# Altium PCB thrusters.PcbDoc (part 2 of 2)
Units mm, origin at the board's own origin, x right, y up, seen from the top; angles counter-clockwise.
Board outline 109.99 x 135.99 mm, 2 copper layers (Top Layer, Bottom Layer), stack 1.57 mm thick; 102 components, 73 nets, 446 pads, 127 vias.
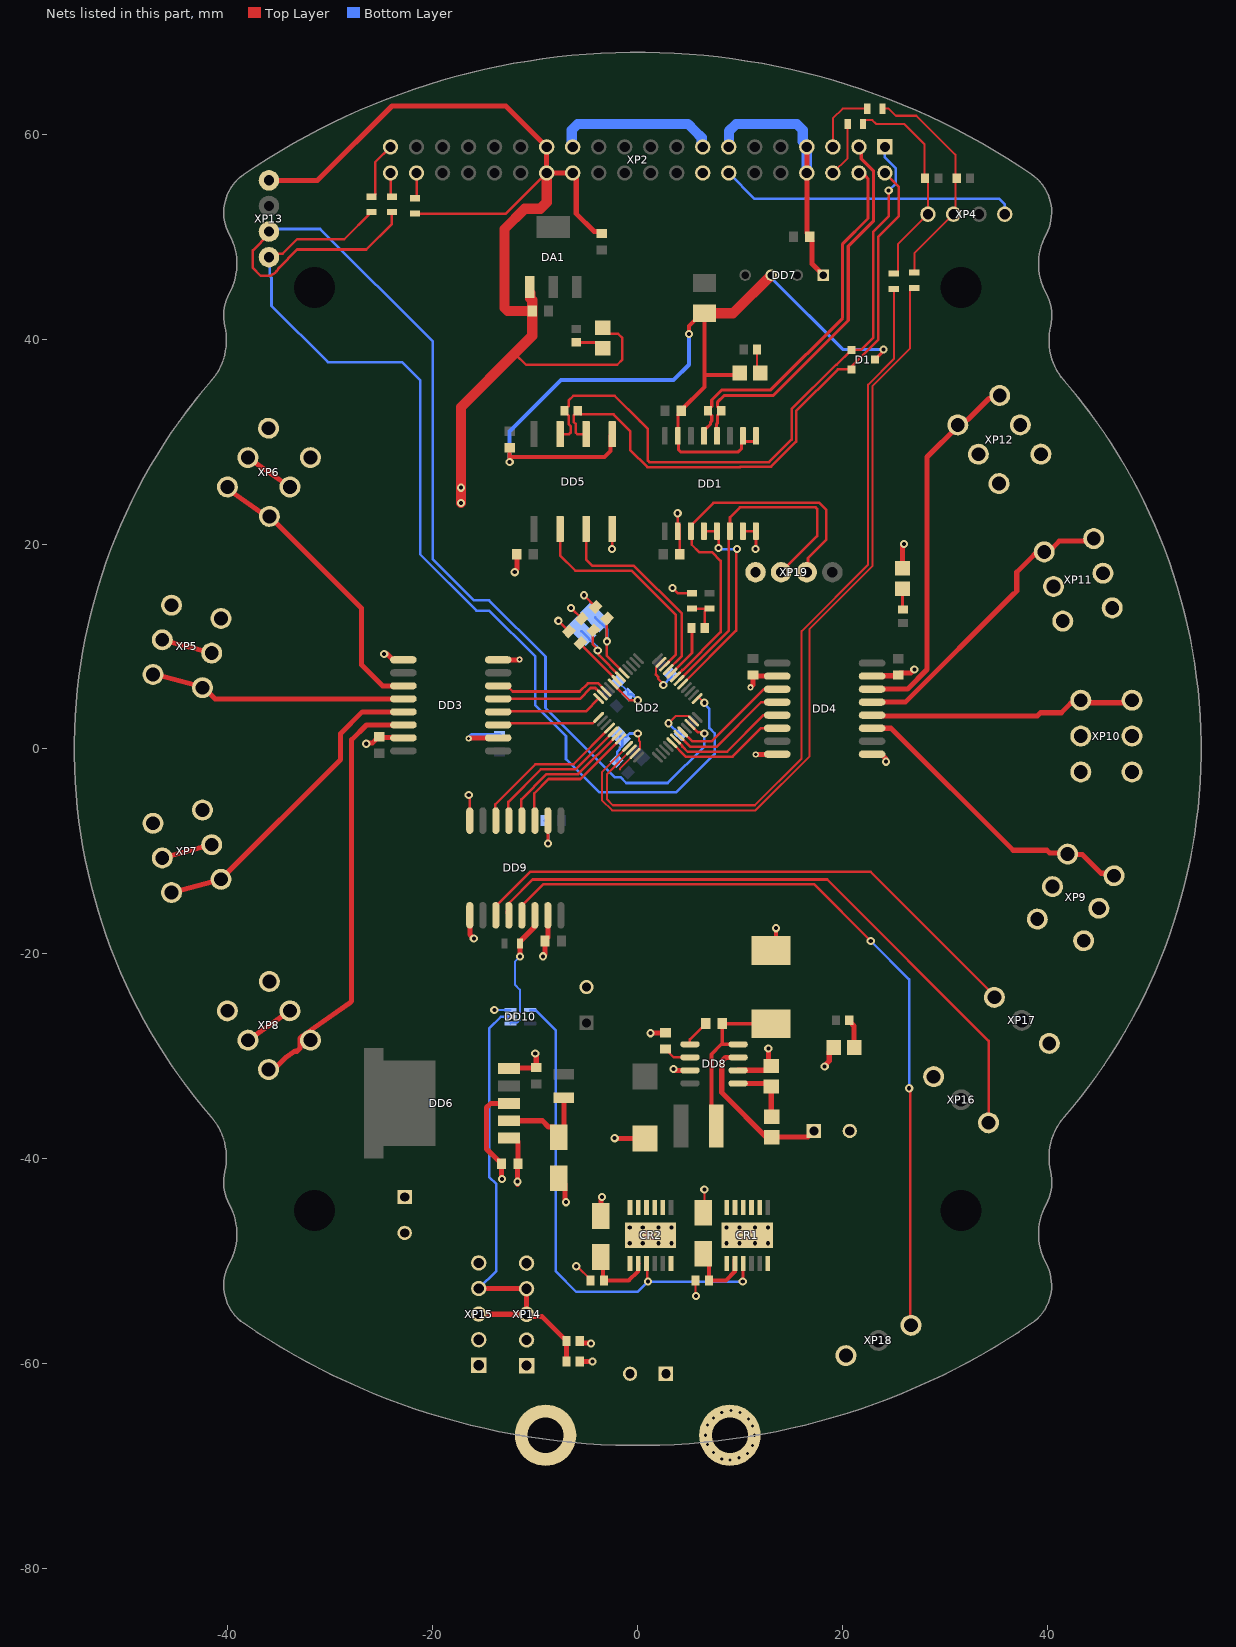
[diagram p2: the nets of this part, all layers, seen from the top]

## Via types
v1: diameter 0.8, hole 0.4, Top Layer to Bottom Layer, 75 vias
v2: diameter 0.7, hole 0.3, Top Layer to Bottom Layer, 32 vias
v3: diameter 0.7, hole 0.4, Top Layer to Bottom Layer, 16 vias
v4: diameter 0.6, hole 0.3, Top Layer to Bottom Layer, 4 vias

## Nets (pads, with @x,y where several pads share a name; then routed paths per layer and width w, separated by ;. In a path a pad name is that pad's centre, name@x,y a point inside that pad or via, vN(x,y) a via of type N, cw(c..) or ccw(c..) an arc to the next point about the centre after c; other vN are vias at no path point) (continued)
+22.2V: C21.1 C29.1 C30.1 CR1.8 CR1.9 CR1.10 CR1.11 CR1.12 CR2.8 CR2.9 CR2.10 CR2.11 CR2.12 DD6.1 DD8.7 R11.2 XP5.2 XP6.2 XP7.2 XP8.2 XP9.2 XP10.2 XP11.2 XP12.2 | length 41.2
  Top Layer w0.5: XP7.2@-46.415,-10.647 XP7.2@-41.585,-9.353 ; XP5.2@-46.415,10.647 XP5.2@-41.585,9.353 ; XP8.2@-38.048,-28.434 XP8.2@-33.952,-25.566 ; XP6.2@-38.048,28.434 XP6.2@-33.952,25.566 ; DD6.1@-12.555,-38 -12.01,-38 -11.7,-38.31 C30.1@-11.7,-40.5 -11.725,-40.525 -11.725,-41.975 -11.75,-42 v1@-11.75,-42.5 ; DD8.7@9.8,-30.115 8.557,-30.115 8.2,-30.472 8.2,-33.55 R11.2@12.825,-38.175 ; R11.2@12.9,-38.1 R11.2@13.1,-37.9 16.6,-37.9 C21.1@17.2,-37.3
  other v1: -11.75,-42.25
+VBAT: C4.1 CR1.1 CR1.6 CR1.EPAD CR2.1 CR2.6 CR2.EPAD R5.2 XP1.1 XP14.1 XP14.2 XP15.1 XP15.2 | length 1.2
  Top Layer w0.5: R5.2@-5.65,-57.8 -5.65,-57.842 -5.5,-57.992 -4.607,-57.992 v1(-4.55,-58.05)
  other v2: 9,-69.4 8.2,-69.3 9.9,-69.2 10.7,-68.8 7.4,-68.7 11.2,-68 6.8,-67.9 6.6,-67 11.4,-67 11.2,-66.1 6.8,-66 10.8,-65.4 7.4,-65.3 8.2,-64.8 10,-64.8 9.1,-64.6
  other v3: -0.782,-48.262 0.488,-48.262 2.012,-48.262 3.282,-48.262 8.668,-48.262 9.938,-48.262 11.462,-48.262 12.732,-48.262 -0.782,-46.738 0.488,-46.738 2.012,-46.738 3.282,-46.738 8.668,-46.738 9.938,-46.738 11.462,-46.738 12.732,-46.738
CAN_N: D1.2 DD5.6 R2.2 XP2.2 | length 60.9
  Top Layer w0.25: R2.2@-5.85,33 R2.2@-5.85,32.925 ; DD5.6@-5.03,30.725 -5.904,30.725 -6.05,30.871 -6.05,31.72 -6.25,31.92 -6.25,32.525 R2.2@-5.85,32.925 ; XP2.2@24.13,56.225 25.5,54.855 25.5,52 23.5,50 23.5,39.964 20.93,37.394 20.93,37.125 D1.2@20.855,37.05 19.55,37.05 15.473,32.973 15.473,30.002 13.021,27.55 10.05,27.55 10,27.5 0.939,27.5 -0.71,29.149 -0.71,31.001 -2.359,32.65 -5.575,32.65 R2.2@-5.85,32.925
CAN_P: D1.1 DD5.7 R2.1 XP2.1 | length 65.8
  Top Layer w0.25: DD5.7@-7.57,30.725 -6.696,30.725 -6.55,30.871 -6.55,31.513 -6.75,31.713 -6.75,32.525 -7.15,32.925 R2.1@-7.15,33 -7.15,33.075 -6.75,33.475 -6.75,34.007 -6.284,34.473 -2.266,34.473 0.207,32 1,31.207 1,28.146 1.146,28 12.835,28 15.023,30.189 15.023,33.16 19.364,37.5 19.405,37.5 D1.1@20.855,38.95 21.779,38.95 23,40.171 23,50.494 24.5,51.994 v1(24.5,54.5)
  Bottom Layer w0.25: XP2.1@24.13,58.765 24.13,57.745 25.205,56.67 25.205,55.205 v1(24.5,54.5)
CAN_RX: DD2.45 DD5.3 | length 20.5
  Top Layer w0.25: DD5.3@-5.03,21.475 -5.03,18.5 -4.4,17.87 -0.37,17.87 4.3,13.2 4.3,9.068 DD2.45@2.98,7.748
CAN_TX: DD2.46 DD5.2 | length 21.7
  Top Layer w0.25: DD5.2@-7.57,21.475 -7.57,18.87 -6.1,17.4 -0.6,17.4 3.7,13.1 3.7,9.175 DD2.46@2.626,8.101
GND: C1.2 C2.2 C3.2 C9.2 C10.2 C11.2 C12.2 C15.2 C17.1 C18.1 C19.1 C20.2 C22.1 C25.2 C27.2 C28.1 C33.2 DA1.1 DD1.2 DD1.7 DD1.8 DD2.8 DD2.23 DD2.35 DD2.47 DD3.2 DD3.8 DD4.2 DD4.8 DD5.4 DD7.1 DD9.2 DD9.8 HL3.2 X1.1 X10.1 XP2.7 XP2.8 XP2.13 XP2.14 XP2.15 XP2.16 XP2.25 XP2.26 XP2.27 XP2.28 XP4.4 XP13.1 XP19.4 | length 251.4
  Top Layer w0.2: -1.75,-2 -1.75,-1.932 DD2.23@-0.273,-0.455 -0.273,-0.43 0.211,0.053 0.211,0.7 0.111,0.8 0.111,1.389 v1(0,1.5) ; 1.763,7.263 1.763,7.92 2.273,8.43 DD2.47@2.273,8.455 ; v1(3,2.5) 3.711,3.211 4.947,3.211 5.43,2.727 DD2.35@5.455,2.727 DD2.35@5.841,2.341
  Top Layer w0.25: X1.1@-21.75,52.25 -12.865,52.25 XP2.28@-8.89,56.225 ; v1(-16.5,-4.5) -16.39,-4.61 DD9.8@-16.39,-7 ; -11.91,38.71 -11.91,38.51 -10.9,37.5 -2,37.5 -1.5,38 -1.5,40.1 -1.925,40.525 -2.825,40.525 HL3.2@-3.4,41.1 ; DD9.2@-8.77,-7 -8.76,-7.01 -8.76,-9.24 v1(-8.75,-9.25) ; v1(-7.75,12.5) C17.1@-6.716,11.466 ; v1(-6.5,13.75) C19.1@-5.466,12.716 ; v1(-5.25,15) C18.1@-4.116,13.866 ; v1(-2.5,19.5) -2.49,19.51 DD5.4@-2.49,21.475 ; DD2.8@-2.394,6.333 -0.811,4.75 v1(0,4.75) ; 1.763,7.263 2,7.025 2,6.846 2.5,6.346 v1(2.5,6.25) ; v1(3.4,15.7) 3.9,15.2 X10.1@5.3,15.2 ; v1(3.9,23) 3.9,22.101 4.1,21.901 4.1,20.025 C1.2@4.1,19 ; DD1.2@3.925,21.25 DD1.2@4.025,21.15 ; DD1.7@10.275,21.25 DD1.8@11.545,21.25 11.545,19.646 11.691,19.5 v1@11.75,19.5
  Top Layer w0.5: XP13.1@-36,55.5 -31.25,55.5 -24,62.75 -12.875,62.75 XP2.27@-8.89,58.765 XP2.28@-8.89,56.225 XP2.26@-6.35,56.225 -6.35,55.954 -6,55.604 -6,52.25 -4.25,50.5 -3.7,50.5 C25.2@-3.5,50.3 ; v4(-16.5,1) -16.473,1 -16.398,1.075 DD3.2@-13.625,1.075 ; DD3.8@-13.625,8.695 -11.555,8.695 v4(-11.527,8.723) v4@-11.5,8.75 ; v1(-12,17.25) -12,17.331 -11.775,17.556 -11.775,18.975 C15.2@-11.8,19 ; v4(11.013,6.012) 11.263,6.262 C3.2@11.263,7.1 ; C3.2@11.263,7.212 C3.2@11.263,7.1 ; v4(11.525,-0.55) 11.54,-0.535 13.61,-0.535 DD4.8@13.625,-0.52 ; DD4.2@13.625,7.1 C3.2@11.263,7.1 ; XP2.7@16.51,58.765 XP2.8@16.51,56.225 16.51,50.375 16.6,50.285 C20.2@16.6,50.1 ; C20.2@16.6,50.025 17,49.625 17,47.36 DD7.1@18.11,46.25
  Top Layer w1: v1(-17.25,24) v1(-17.25,25.5) -17.25,33.37 -11.91,38.71 -10.3,40.32 C27.2@-10.3,42.75 -12.707,42.75 -13,43.043 -13,50.75 -11.03,52.72 -9.515,52.72 -8.89,53.345 XP2.28@-8.89,56.225 ; DA1.1@-10.5,44.5 -10.5,44 -10.29,43.79 C27.2@-10.29,42.775
  Bottom Layer w0.2: C28.1@-1.934,6.566 -0.934,5.566 C22.1@-0.934,5.316
  Bottom Layer w0.25: C33.2@-9.05,-7 -8.75,-7.3 v1(-8.75,-9.25) ; C9.2@-2.066,-1.184 -2.013,-1.131 -2.013,-0.288 -1.763,-0.038 -1.763,0.051 -1.51,0.303 -1.51,1.01 C11.2@-1.687,1.187 -1.106,1.187 -0.793,1.5 v1(0,1.5) ; C22.1@-0.934,5.316 -0.566,5.316 v1(0,4.75) ; v1(2.5,6.25) 3.25,7 C12.2@3.25,7.25 ; v1(3,2.5) 4.066,1.434 C10.2@4.184,1.434 ; XP2.14@8.89,56.225 11.415,53.7 29.175,53.7 29.2,53.725 29.8,53.725 29.825,53.7 35.3,53.7 35.821,53.179 35.821,52.204 XP4.4@35.825,52.2
  Bottom Layer w0.5: v4(-16.5,1) -16.473,1 -16.173,1.3 C2.2@-13.5,1.3
  Bottom Layer w1: XP2.25@-6.35,58.765 -6.446,58.861 -6.446,60.414 -5.86,61 4.914,61 5.547,60.367 6.254,59.66 6.254,58.861 XP2.15@6.35,58.765 ; XP2.13@8.89,58.765 8.9,58.775 8.9,60.3 9.6,61 15.514,61 16.1,60.414 16.1,59.31 16.51,58.9 XP2.8@16.51,56.225
  other v1: 11.5,19.5
GND_22V: C4.2 C6.2 C7.2 C21.2 C23.2 C26.2 C29.2 C30.2 C31.2 C32.2 C34.2 D2.2 D3.2 D4.1 D5.2 DD3.9 DD3.15 DD4.9 DD4.15 DD6.3 DD6.5 DD8.3 DD8.6 DD9.9 DD9.15 DD10.3 HL1.2 HL4.2 R6.1 R8.1 R12.1 R15.1 XP3.1 XP5.1 XP6.1 XP7.1 XP8.1 XP9.1 XP10.1 XP11.1 XP12.1 XP14.5 XP15.5 XP16.1 XP17.1 XP18.1 | length 64.2
  Top Layer w0.2: v1(-6,-50.5) -5.925,-50.5 -4.6,-51.825 R15.1@-4.6,-51.9 ; R8.1@5.65,-51.9 5.65,-53.35 v1(5.7,-53.4) ; D3.2@6.4,-45.3 6.5,-45.2 v1(6.5,-43)
  Top Layer w0.4: D4.1@13,-19.681 13.5,-19.181 v1(13.5,-17.5)
  Top Layer w0.5: v1(-26.5,0.5) -26.443,0.557 -25.918,0.557 -25.3,1.175 C6.2@-25.225,1.175 -25.163,1.113 -22.913,1.113 DD3.15@-22.875,1.075 ; v1(-24.75,9.25) -24.434,9.25 -23.879,8.695 DD3.9@-22.875,8.695 ; DD9.9@-16.39,-16.25 -16.39,-18.11 v1(-16,-18.5) ; C30.2@-13.5,-40.225 -13.575,-40.225 -14.75,-39.05 -14.75,-35 -14.35,-34.6 DD6.3@-12.555,-34.6 ; C30.2@-13.3,-40.5 -13.3,-41.95 v1(-13.25,-42) ; DD6.5@-12.555,-31.2 -12.505,-31.15 -9.95,-31.15 C31.2@-9.9,-31.1 -9.9,-29.85 v1(-10,-29.75) ; v1(-9.25,-20.25) -9.05,-20.05 C34.2@-9.05,-18.75 -9.05,-18.675 -8.77,-18.395 DD9.15@-8.77,-16.25 ; D2.2@-7.7,-41.9 -7.1,-42.5 -7.1,-44.15 v1(-7,-44.25) ; R6.1@-5.65,-59.8 v1(-4.4,-59.8) ; D5.2@-3.6,-45.6 -3.6,-43.85 v1(-3.5,-43.75) ; v1(-2.25,-38) -2.225,-38.025 C26.2@0.7,-38.025 ; v1(1.25,-27.75) 1.275,-27.725 2.675,-27.725 C23.2@2.7,-27.7 ; v1(3.5,-31.25) 3.635,-31.385 DD8.3@5.1,-31.385 ; DD8.6@9.8,-31.385 9.819,-31.366 12.614,-31.366 R12.1@13.03,-30.95 12.75,-30.67 v1(12.75,-29.25) ; v1(18.25,-31) 18.25,-30.919 18.7,-30.469 18.7,-29.6 HL4.2@19.15,-29.15 ; DD4.9@22.875,-0.52 23.771,-0.52 24.25,-0.999 v1(24.25,-1.25) ; DD4.15@22.875,7.1 22.913,7.138 25.363,7.138 C7.2@25.425,7.2 25.625,7.4 26.65,7.4 v1(27,7.75) ; HL1.2@25.85,17.625 25.85,19.85 v1(26,20)
  Bottom Layer w0.2: v1(-14,-25.5) DD10.3@-12.42,-25.5
GND_ISOL: C5.2 C8.2 C16.2 D1.3 DD1.9 DD1.10 DD1.15 DD5.5 DD7.3 HL2.2 | length 93.6
  Top Layer w0.3: C5.2@4.25,33 4.225,33 3.925,32.7 DD1.15@3.925,30.55 4,30.475 4,29.176 4.176,29 9.824,29 10.15,29.326 10.15,30.425 DD1.10@10.275,30.55 10.275,30.125 10.4,30 11.42,30 11.545,30.125 DD1.9@11.545,30.55 ; D1.3@23.145,38 23.904,38.759 23.904,38.904 v1(24,39)
  Top Layer w0.4: v1(-12.5,28) -12.5,28.5 ; C16.2@-12.5,29.4 -12.5,28.5 ; DD5.5@-2.49,30.725 -2.64,30.575 -2.64,29.094 -3.234,28.5 -12.5,28.5 ; C5.2@4.25,33 4.25,33.075 6.5,35.325 6.5,36.5 ; v1(5,40.5) 5,41.275 6.25,42.525 C8.2@6.5,42.525 6.5,36.5 ; HL2.2@9.95,36.7 9.75,36.5 6.5,36.5
  Top Layer w1: C8.2@6.5,42.525 9.305,42.525 DD7.3@13.03,46.25
  Bottom Layer w0.3: DD7.3@13.03,46.25 13.03,46.025 13.308,45.748 13.308,45.692 20,39 v1(24,39)
  Bottom Layer w0.4: v1(-12.5,28) -12.5,31 -7.5,36 3.5,36 5,37.5 v1(5,40.5)
NetC17_2: C17.2 DD2.7 | length 5.2
  Top Layer w0.25: C17.2@-5.584,10.334 -5.636,10.283 -2.942,7.589 DD2.7@-2.041,6.687
NetC18_2: C18.2 DD2.5 Z1.2 | length 8.9
  Top Layer w0.25: C18.2@-2.984,12.734 -3.037,12.681 -3.037,9.098 DD2.5@-1.333,7.394
  Bottom Layer w0.25: Z1.2@-4.156,12.844 -3,11.687 v1(-3,10.5)
NetC19_2: C19.2 DD2.6 Z1.1 | length 8.2
  Top Layer w0.25: C19.2@-4.334,11.584 -4.387,11.531 -4.387,10.209 -3.9,9.721 v1(-3.9,9.6) -3.795,9.495 -3.795,9.148 DD2.6@-1.687,7.041
  Bottom Layer w0.25: Z1.1@-5.5,11.5 -4.005,10.005 -4.005,9.705 v1(-3.9,9.6)
NetC23_1: C23.1 DD8.2 | length 2.7
  Top Layer w0.25: C23.1@2.7,-29.3 3.515,-30.115 DD8.2@5.1,-30.115
NetC24_1: C24.1 DD8.1 | length 2.7
  Top Layer w0.25: DD8.1@5.1,-28.845 5.1,-28.35 C24.1@6.65,-26.8
NetC24_2: C24.2 D4.2 DD8.8 L1.1 | length 16.9
  Top Layer w0.35: L1.1@7.674,-36.8 7.2,-36.326 7.2,-29.8 8.155,-28.845 ; DD8.8@9.8,-28.845 8.25,-28.845 C24.2@8.25,-26.8 8.291,-26.841 12.977,-26.841 D4.2@13,-26.819
NetCR1_2: CR1.2 D3.1 R8.2 | length 6.9
  Top Layer w0.4: D3.1@6.4,-49.3 6.95,-49.85 R8.2@6.95,-51.9 8.6,-51.9 9.472,-51.028 9.472,-49.85 CR1.2@9.5,-49.821
NetCR1_3: CR1.3 CR2.3 DD10.4 | length 50.4
  Top Layer w0.25: CR2.3@0.85,-50.221 0.925,-50.296 0.925,-51.925 v1(1,-52) ; v1(10.25,-52) 10.275,-51.975 10.275,-49.846 CR1.3@10.3,-49.821
  Bottom Layer w0.25: DD10.4@-10.5,-25.5 -10,-25.5 -8,-27.5 -8,-51 -6,-53 0,-53 v1(1,-52) v1(10.25,-52)
NetCR2_2: CR2.2 D5.1 R15.2 | length 6.9
  Top Layer w0.4: D5.1@-3.6,-49.6 -3.375,-49.825 -3.375,-51.825 R15.2@-3.3,-51.9 -0.879,-51.9 0.022,-50.999 0.022,-50.25 CR2.2@0.05,-50.221
NetD2_1: D2.1 DD6.2 L2.1 | length 9.8
  Top Layer w0.5: DD6.2@-12.555,-36.3 -9.3,-36.3 -8.7,-36.9 -8.3,-36.9 -7.7,-37.5 D2.1@-7.7,-37.9 -7.2,-37.4 L2.1@-7.2,-34.05
NetDD2_21: DD2.21 X6.1 | length 79.2
  Top Layer w0.2: DD2.21@-0.98,0.252 -3.5,-2.268 -3.5,-5 -2.5,-6 11.5,-6 16.75,-0.75 16.75,11.684 22.9,17.834 22.9,35.4 26.6,39.1 26.6,44.8 26.8,45 X6.1@27,45
NetDD2_22: DD2.22 X7.1 | length 76.5
  Top Layer w0.2: DD2.22@-0.626,-0.101 -3,-2.475 -3,-4.934 -2.434,-5.5 11.434,-5.5 16,-0.934 16,11.5 22.5,18 22.5,35.566 25,38.066 X7.1@25,44.9
NetDD2_44: DD2.44 R7.1 | length 5
  Top Layer w0.25: DD2.44@3.333,7.394 5.3,9.361 R7.1@5.3,11.555
NetDD8_5: DD8.5 R11.1 R12.2 | length 6.2
  Top Layer w0.5: DD8.5@9.8,-32.655 12.735,-32.655 R12.2@13.03,-32.95 ; R12.2@12.84,-33.14 13.03,-33.33 13.03,-35.83 R11.1@13.1,-35.9
NetDD10_2: DD10.2 R5.1 R6.2 XP14.3 XP14.4 XP15.3 XP15.4 | length 47.5
  Top Layer w0.5: XP15.3@-15.525,-55.175 -15.513,-55.187 -10.863,-55.187 XP14.3@-10.85,-55.2 ; XP15.4@-15.525,-52.675 -15.513,-52.687 -10.863,-52.687 XP14.4@-10.85,-52.7 XP14.3@-10.85,-55.2 ; R5.1@-7.175,-57.575 -9.359,-55.391 -10.659,-55.391 XP14.3@-10.85,-55.2 ; R6.2@-6.95,-59.8 R5.1@-6.95,-57.8
  Bottom Layer w0.25: XP15.4@-15.525,-52.675 -13.8,-50.95 -13.8,-42.475 -14.5,-41.775 -14.5,-27.296 -13.354,-26.15 DD10.2@-12.42,-26.15
NetHL1_1: HL1.1 R4.2 | length 2
  Top Layer w0.25: HL1.1@25.85,15.625 25.85,13.65 R4.2@25.9,13.6
NetHL2_1: HL2.1 R9.2 | length 2.4
  Top Layer w0.2: R9.2@11.65,39 11.65,37 HL2.1@11.95,36.7
NetHL3_1: HL3.1 R10.2 | length 3
  Top Layer w0.25: R10.2@-6,39.7 -5.975,39.675 -3.675,39.675 HL3.1@-3.225,39.225
NetHL4_1: HL4.1 R3.2 | length 2.9
  Top Layer w0.5: R3.2@20.65,-26.5 20.65,-26.575 21.12,-27.045 21.12,-29.12 HL4.1@21.15,-29.15
NetR7_2: R7.2 X9.2 X10.2 | length 3.7
  Top Layer w0.25: X10.2@5.3,13.7 X9.2@6.8,13.7 ; R7.2@6.55,11.8 6.55,13.45 X9.2@6.8,13.7 ; X9.2@7,13.7 X9.2@6.8,13.7
NetR13_2: R13.2 X4.2 X6.2 XP4.2 | length 22.2
  Top Layer w0.2: X4.2@23.9,62.5 24.5,62.5 25.193,61.807 27.193,61.807 31,58 31,55.85 R13.2@31.15,55.7 31,55.55 31,52.375 27,48.375 X6.2@27,46.5
NetR14_2: R14.2 X5.2 X7.2 XP4.1 | length 21.5
  Top Layer w0.2: X5.2@22,61 22,61.181 22.2,61.381 22.894,61.381 23.276,61 26,61 28,59 28,55.75 R14.2@28.05,55.7 28.325,55.425 XP4.1@28.325,52.2 25.4,49.275 25.4,46.6 25.2,46.4 X7.2@25,46.4
NetX1_2: X1.2 XP2.38 | length 2.6
  Top Layer w0.25: X1.2@-21.75,53.75 -21.59,53.75 XP2.38@-21.59,56.225
NetX2_2: X2.2 XP2.39 | length 5.8
  Top Layer w0.25: X2.2@-26,53.9 -25.8,53.9 -25.625,54.075 -25.625,57.27 XP2.39@-24.13,58.765
NetX3_2: X3.2 XP2.40 | length 2.4
  Top Layer w0.25: XP2.40@-24.13,56.225 -24.13,54.03 X3.2@-24,53.9
NetX4_1: X4.1 XP2.5 | length 6.5
  Top Layer w0.2: XP2.5@19.05,58.765 19.05,61.55 20,62.5 X4.1@22.4,62.5
NetX5_1: X5.1 XP2.6 | length 5.4
  Top Layer w0.2: XP2.6@19.05,56.225 20.5,57.675 X5.1@20.5,61
"Power On": DD2.19 DD9.3 | length 13.3
  Top Layer w0.25: DD9.3@-10.04,-7 -10.095,-6.945 -10.095,-4.332 -8.703,-2.94 -5.586,-2.94 DD2.19@-1.687,0.959
"Power On_ISOL": DD9.14 DD10.1 X8.2 | length 12.3
  Top Layer w0.5: v1(-11.5,-20.27) X8.2@-11.5,-19 -11.5,-18.8 -10.078,-17.378 -10.078,-16.288 DD9.14@-10.04,-16.25
  Bottom Layer w0.2: DD10.1@-12.42,-26.8 -12.345,-26.725 -11.77,-26.725 -11.5,-26.455 -11.5,-23.5 -12,-23 -12,-20.77 v1(-11.5,-20.27)
PWM1: DD2.13 DD3.3 | length 10.2
  Top Layer w0.25: DD3.3@-13.625,2.345 -13.53,2.25 -13,2.25 -12.75,2.5 -11.5,2.5 -4.389,2.5 DD2.13@-3.808,3.081
PWM2: DD2.12 DD3.4 | length 10.4
  Top Layer w0.25: DD3.4@-13.625,3.615 -13.569,3.671 -5.057,3.671 DD2.12@-3.808,4.919
PWM3: DD2.11 DD3.5 | length 10.9
  Top Layer w0.25: DD3.5@-13.625,4.885 -5.657,4.885 -4.597,5.945 -4.134,5.945 -4.005,5.816 -3.998,5.816 DD2.11@-3.455,5.273
PWM4: DD2.10 DD3.6 | length 11.4
  Top Layer w0.25: DD3.6@-13.625,6.155 -12.755,6.155 -12.2,5.6 -5.67,5.6 -4.87,6.4 -4.806,6.4 -4.792,6.415 -3.897,6.415 -3.108,5.626 DD2.10@-3.101,5.626
PWM5: DD2.32 DD4.3 | length 11.7
  Top Layer w0.25: DD2.32@4.394,1.667 5.311,0.75 7.245,0.75 12.325,5.83 DD4.3@13.625,5.83
PWM6: DD2.31 DD4.4 | length 11.9
  Top Layer w0.25: DD2.31@4.041,1.313 5.164,0.19 7.69,0.19 12.06,4.56 DD4.4@13.625,4.56
PWM7: DD2.30 DD4.5 | length 12
  Top Layer w0.25: DD2.30@3.687,0.959 3.687,0.952 4.363,0.276 4.363,0.234 4.877,-0.28 8.72,-0.28 12.29,3.29 DD4.5@13.625,3.29
PWM8: DD2.29 DD4.6 | length 12
  Top Layer w0.25: DD2.29@3.333,0.606 3.333,0.599 4.682,-0.75 9.25,-0.75 12.02,2.02 DD4.6@13.625,2.02
PWM_ISOL1: DD3.14 XP8.3 | length 42.5
  Top Layer w0.5: XP8.3@-36.46,-31.301 XP8.3@-36.04,-31.301 ; XP8.3@-35.788,-31.554 -34.545,-30.311 -34.355,-30.121 -33.532,-29.544 -33.395,-29.511 -33.266,-29.511 -33.128,-29.372 ccw(c-33.481,-29.018) -33.127,-29.371 -32.981,-29.225 -32.981,-28.253 -32.804,-28.076 -32.398,-27.791 -28.102,-24.784 -28.071,-24.753 -27.925,-24.607 -27.925,0.9 -26.48,2.345 DD3.14@-22.875,2.345
PWM_ISOL2: DD3.13 XP7.3 | length 30.8
  Top Layer w0.5: XP7.3@-45.263,-13.962 XP7.3@-40.679,-12.734 ; XP7.3@-40.675,-12.7 -29,-1.025 -29,1.5 -26.885,3.615 DD3.13@-22.875,3.615
PWM_ISOL3: DD3.12 XP5.3 | length 25
  Top Layer w0.5: XP5.3@-46.864,7.207 -42.475,6.032 XP5.3@-42.382,6.007 ; XP5.3@-42.4,6.025 XP5.3@-42.382,6.007 ; XP5.3@-42.034,5.913 -42.302,5.948 -42.353,5.999 XP5.3@-42.382,6.007 ; DD3.12@-22.875,4.885 -41.26,4.885 XP5.3@-42.382,6.007
PWM_ISOL4: DD3.11 XP6.3 | length 28.2
  Top Layer w0.5: XP6.3@-39.955,25.567 -39.94,25.477 -39.912,25.322 -39.77,25.179 -36.194,22.676 -36.036,22.676 -35.993,22.676 -35.957,22.682 -35.95,22.683 -35.914,22.689 -26.96,13.735 -26.96,8.21 -24.905,6.155 DD3.11@-22.875,6.155
PWM_ISOL5: DD4.14 XP12.3 | length 36.6
  Top Layer w0.5: DD4.14@22.875,5.83 26.33,5.83 28.25,7.75 28.25,28.488 31.245,31.483 XP12.3@31.245,31.633 31.664,31.633 32.175,32.144 32.244,32.144 34.304,34.204 35.044,34.204 XP12.3@35.34,34.501
PWM_ISOL6: DD4.13 XP11.3 | length 29.3
  Top Layer w0.5: DD4.13@22.875,4.56 26.11,4.56 36.531,14.981 36.657,15.107 36.707,15.107 37,15.4 37,17.25 38.701,18.951 39.397,18.951 XP11.3@39.679,19.234 40.099,19.234 41.143,20.278 44.259,20.278 XP11.3@44.509,20.528
PWM_ISOL7: DD4.12 XP10.3 | length 26.3
  Top Layer w0.5: DD4.12@22.875,3.29 22.961,3.204 39.001,3.204 39.325,3.528 41.344,3.528 42.269,4.453 42.953,4.453 XP10.3@43.25,4.75 43.5,4.5 44,4.5 48,4.5 XP10.3@48.25,4.75
PWM_ISOL8: DD4.11 XP9.3 | length 29.6
  Top Layer w0.5: DD4.11@22.875,2.02 24.73,2.02 36.648,-9.898 39.938,-9.898 40.188,-10.148 41.84,-10.148 42.015,-10.322 43.422,-10.322 45.235,-12.135 46.245,-12.135 XP9.3@46.495,-12.384
RE/DE: DD1.4 DD1.5 DD2.41 | length 20.2
  Top Layer w0.25: DD2.41@4.394,6.333 9.6,11.539 v1@9.6,19.5 ; DD1.4@6.465,21.25 DD1.5@7.735,21.25 7.885,21.1 7.885,20.39 7.9,20.375 v1(7.9,19.6)
  Bottom Layer w0.25: v1(7.9,19.6) 8,19.5 v1(9.7,19.5)
RSMOT_N: DD1.13 R1.1 XP2.4 | length 36
  Top Layer w0.3: DD1.13@6.465,30.55 6.465,31.125 6.59,31.25 6.649,31.25 7.122,31.723 7.122,31.902 7.225,32.005 7.225,32.55 6.85,32.925 R1.1@6.85,33 6.85,33.075 7.225,33.45 7.225,34.053 8.222,35.05 13,35.05 20,42.05 20,49.301 22.48,51.781 22.48,55.666 22.304,55.842 22.298,55.842 21.915,56.225 XP2.4@21.59,56.225
RSMOT_P: DD1.12 R1.2 XP2.3 | length 38.3
  Top Layer w0.3: DD1.12@7.735,30.55 7.672,30.613 7.672,31.674 7.775,31.777 7.775,32.55 8.15,32.925 R1.2@8.15,33 8.15,33.075 7.775,33.45 7.775,33.825 8.45,34.5 13.228,34.5 20.55,41.822 20.55,49.073 23.03,51.553 23.03,56.4 21.82,57.611 21.82,58.535 XP2.3@21.59,58.765
SWCLK: DD2.37 X2.1 XP13.4 | length 101.6
  Top Layer w0.25: XP13.4@-36,48 -35.665,48.335 -34.665,48.335 -33.25,49.75 -28.65,49.75 X2.1@-26,52.4 ; DD2.37@5.808,4.919 5.931,5.042 5.958,5.042 v1(6.5,4.5)
  Bottom Layer w0.25: XP13.4@-36,48 -35.915,47.915 -35.915,46.165 -35.75,46 -35.75,43.25 -30.25,37.75 -23,37.75 -21.25,36 -21.25,19 -15.75,13.5 -14.5,13.5 -10,9 -10,4.25 -7,1.25 -7,-1 -3.75,-4.25 3.75,-4.25 7.5,-0.5 7.5,1.525 7,2.025 7,3.904 6.5,4.404 v1(6.5,4.5)
SWDIO: DD2.34 X3.1 XP13.3 | length 106.2
  Top Layer w0.25: XP13.3@-36,50.5 -36,50.25 -37.575,48.675 -37.575,46.951 -36.799,46.175 -35.825,46.175 -35.71,46.29 ccw(c-36.25,47.5) -35.04,46.96 -33.25,48.75 -26.5,48.75 -24,51.25 X3.1@-24,52.4 ; DD2.34@5.101,2.374 5.87,1.605 6.395,1.605 v1(6.5,1.5)
  Bottom Layer w0.25: XP13.3@-36,50.5 -35.75,50.75 -31,50.75 -20,39.75 -20,18.5 -16,14.5 -14.5,14.5 -9,9 -9,4 -2.25,-2.75 -1.702,-2.75 -1.122,-3.33 2.92,-3.33 6.5,0.25 v1(6.5,1.5)
TIM3_CH1: DD2.16 DD9.6 | length 15.9
  Top Layer w0.25: DD9.6@-13.85,-7 -13.905,-6.945 -13.905,-5.405 -10,-1.5 -6.268,-1.5 DD2.16@-2.748,2.02
TIM3_CH1_ISOL: DD9.11 XP17.3 | length 56.9
  Top Layer w0.25: DD9.11@-13.85,-16.25 -13.85,-15.35 -10.5,-12 22.75,-12 35,-24.25 XP17.3@34.301,-24.25
TIM3_CH2: DD2.17 DD9.5 | length 14.8
  Top Layer w0.25: DD9.5@-12.58,-7 -12.635,-6.945 -12.635,-5.168 -9.467,-2 -6.061,-2 DD2.17@-2.484,1.577
TIM3_CH2_ISOL: DD9.12 XP16.3 | length 63.7
  Top Layer w0.25: DD9.12@-12.58,-16.25 -12.624,-16.206 -12.697,-16.133 -12.701,-16.133 -12.725,-16.109 -12.798,-16.035 -12.798,-15.932 -12.798,-15.853 -12.58,-15.54 -12.58,-15.461 -12.58,-15.361 -12.494,-15.275 -12.494,-14.994 -10.25,-12.75 18.5,-12.75 34.25,-28.5 XP16.3@34.25,-36.5
TIM3_CH3: DD2.18 DD9.4 | length 14
  Top Layer w0.25: DD9.4@-11.31,-7 -11.365,-6.945 -11.365,-4.937 -8.898,-2.47 -5.824,-2.47 DD2.18@-2.041,1.313
TIM3_CH3_ISOL: DD9.13 XP18.3 | length 77.3
  Top Layer w0.25: DD9.13@-11.31,-16.25 -11.31,-15.3 -9.21,-13.2 17.2,-13.2 v1(22.75,-18.75) ; v1(26.5,-33.13) 26.586,-33.216 26.586,-56.185 XP18.3@26.672,-56.271
  Bottom Layer w0.25: v1(22.75,-18.75) 26.5,-22.5 v1(26.5,-33.13)
USART_RX: DD1.3 DD2.43 XP19.2 | length 39.8
  Top Layer w0.25: DD2.43@3.687,7.041 3.694,7.041 4.366,7.712 4.401,7.712 8.1,11.411 8.1,18.345 7.245,19.2 6,19.2 5.273,19.927 5.273,21.172 DD1.3@5.195,21.25 5.195,21.825 7.395,24.025 17.725,24.025 18.396,23.354 18.396,20.396 16.625,18.625 16.625,17.375 XP19.2@16.5,17.25
USART_TX: DD1.6 DD2.42 XP19.3 | length 34.6
  Top Layer w0.25: DD2.42@4.041,6.687 8.9,11.546 8.9,21.145 DD1.6@9.005,21.25 9.005,22.604 9.976,23.575 17.373,23.575 17.519,23.429 17.519,20.769 XP19.3@14,17.25
pads on no net: CR1.4 CR1.5 CR1.7 CR2.4 CR2.5 CR2.7 DA1.4 DD1.11 DD1.14 DD2.1 DD2.2 DD2.3 DD2.4 DD2.14 DD2.15 DD2.20 DD2.25 DD2.26 DD2.27 DD2.28 DD2.33 DD2.38 DD2.39 DD2.40 DD3.7 DD4.7 DD6.6 DD6.7 DD9.7 XP2.29 XP2.30 XP2.31 XP2.32 XP2.33 XP2.34 XP2.35 XP2.36 XP2.37
copper on no net:
  other v2: -9.1,-69.4 -10,-69.2 -8.2,-69.2 -7.4,-68.7 -10.8,-68.6 -6.8,-68 -11.2,-67.9 -11.4,-67 -6.6,-67 -6.8,-66.1 -11.2,-66 -7.4,-65.3 -10.7,-65.2 -9.9,-64.8 -8.2,-64.7 -9,-64.6

## Polygon pours and split planes (outlines as drawn)
GND on Bottom Layer "GND_L02_P048" (solid, remove dead copper, pour order 48): -10.5,59.5 -10.5,55 -6,55 -5.5,55.5 -5.5,59.5
+12В on Bottom Layer "+12В_L02_P047" (solid, remove dead copper, pour order 47): -5,59.5 -5,55 4.5,55 4.5,59.5
GND on Bottom Layer "GND_L02_P046" (solid, remove dead copper, pour order 46): 5,59.5 5,55 9.5,55 10,55.5 10,59.5
GND_22V on Bottom Layer "Bottom Layer-GND_22V" (solid, remove dead copper, pour order 39): 23.5,32.5 25,34 25.25,34 30.5,39.25 42.125,39.25 55.253,22.184 55.253,-21.893 42.344,-34.801 42.344,-34.719 42.344,-52.567 26.778,-68.134 -13.015,-67.725 -14.773,-66.639 -16.164,-66.639 -40.988,-58.084 -41.344,-36.232 -55,-22.576 -55,20.712 -41.125,38.75 -31.625,38.75 -23.5,30.625 -23.5,-13.5 23.5,-13.5
GND on Top Layer "GND_L01_P045" (solid, remove dead copper, pour order 45): 9.539,26.715 -18.961,26.715 -18.961,-11 8.324,-11 15.75,-3.574 15.75,26.715
+22.2V on Top Layer "Top Layer-+22.2V" (solid, remove dead copper, pour order 43): -57.08,-40.551 -52.33,-45.301 -18.58,-45.301 -18.58,-45.551 22.92,-45.551 51.17,-45.551 56.92,-39.801 56.92,25.949 42.67,40.199 31.67,40.199 26.42,34.949 26.42,25.949 35.92,16.449 35.92,-4.551 36.17,-4.801 28.92,-12.051 17.748,-24.522 -18.58,-24.522 -29.08,-12.801 -36.33,-5.551 -36.08,-5.301 -36.08,15.699 -26.58,25.199 -26.58,34.199 -31.83,39.449 -42.83,39.449 -57.08,25.199
+VBAT on Top Layer "+VBAT_L01_P032" (solid, remove dead copper, pour order 32): 9.912,-67.987 11.688,-66.891 14.141,-66.891 16,-66.25 16,-46.25 -19,-46.25 -19,-65.239 -15.986,-68.254

## Keep-outs
Keep-Out Layer:
  circle w0.254: c-31.5,45.125 r3
  circle w0.254: c31.5,45.125 r3
  circle w0.2: c-31.547,45.053 r2
  circle w2: c31.547,-45.053 r2
  circle w2: c-31.547,-45.053 r2
  circle w0.2: c31.547,45.053 r2
  lines w0.013: -41.613,-35.963 cw(c-46.153,-39.886) -40.313,-41.264 ccw(c-35.933,-42.297) -39.876,-44.466 cw(c-45.134,-47.357) -39.862,-50.223 ccw(c-35.909,-52.372) -38.453,-56.083 ccw(c0,0) 38.453,-56.083 ccw(c35.909,-52.372) 39.862,-50.223 cw(c45.134,-47.357) 39.876,-44.466 ccw(c35.933,-42.297) 40.313,-41.264 cw(c46.153,-39.886) 41.613,-35.963 ccw(c0,0) 41.613,35.963 cw(c46.153,39.886) 40.313,41.264 ccw(c35.933,42.297) 39.876,44.466 cw(c45.134,47.357) 39.862,50.223 ccw(c35.909,52.372) 38.453,56.083 ccw(c0,0) -38.453,56.083 ccw(c-35.909,52.372) -39.862,50.223 cw(c-45.134,47.357) -39.876,44.466 ccw(c-35.933,42.297) -40.313,41.264 cw(c-46.153,39.886) -41.613,35.963 ccw(c0,0) -41.613,-35.963

## Silkscreen, mask and mechanical layers (free items; w line width, h text height)
Top Overlay:
  drawing of 24 lines, arcs and shapes, not listed
  text "GND" at 6.3,61.484 h1.2
  text "GND" at -8.55,61.434 h1.2
  text "+12V" at -2,61.4 h1.2
  text "+5V" at 11.95,61.409 h1.2
  text "I2C" at 19.342,60.45 h1.2 r90
  text "485" at 21.741,60.45 h1.2 r90
  text "CAN" at 24.342,60.45 h1.2 r90
  text "GND" at 16.741,60.35 h1.2 r90
  text "-" at -33.4,54.9 h1
  text "+" at -33.4,52.433 h1
  text "dio" at -33.4,50.3 h1
  text "clk" at -33.4,48.5 h1
  text "PWM" at 37.354,38.538 h1.52 r305
  text "-" at -39.837,34.533 h1.52 r235
  text "+" at 41.554,34.308 h1.52 r125
  text "+" at -41.771,32.017 h1.52 r235
  text "-" at 43.87,30.599 h1.52 r125
  text "PWM" at -44.437,26.004 h1.52 r55
  text "PWM" at 48.011,22.72 h1.52 r285
  text "-" at -50.406,17.661 h1.52 r255
  text "+" at 50.884,17.045 h1.52 r105
  text "+" at -51.466,14.605 h1.52 r255
  text "-" at 51.525,14.277 h1.52 r105
  text "+" at 19.004,14 h1.52
  text "TX" at 12.004,13.754 h1.52
  text "RX" at 15.504,13.754 h1.52
  text "-" at 10.504,13.742 h1.52
  text "PWM" at -51.53,7.486 h1.52 r75
  text "PWM" at 52.354,6.746 h1.52 r270
  text "+" at 53.7,0.554 h1.52 r90
  text "-" at 53.608,-2.846 h1.52 r90
  text "-" at -53.15,-8.227 h1.52 r285
  text "+" at -52.334,-11.12 h1.52 r285
  text "PWM" at 50.923,-12.138 h1.52 r245
  text "PWM" at -48.836,-16.97 h1.52 r105
  text "+" at 49.707,-18.47 h1.52 r65
  text "PWM" at 32.781,-19.858 h1.52 r230
  text "-" at 47.868,-21.384 h1.52 r65
  text "+" at 40.195,-22.663 h1.52 r320
  text "-" at 42.618,-25.052 h1.52 r320
  text "-" at -44.97,-27.499 h1.52 r305
  text "+" at -42.904,-30.258 h1.52 r305
  text "PWM" at -38.104,-35.013 h1.52 r125
  text "-" at 24.562,-36.583 h1.52 r55
  text "+" at 27.146,-39.042 h1.52 r55
  text "PWM" at 29.281,-39.608 h1.52 r230
  text "PWM" at 26.377,-49.088 h1.52 r205
  text "+" at 21.27,-51.607 h1.52 r205
  text "-" at 18.055,-52.897 h1.52 r205
  text "+22V" at 11.729,-63.921 h1.52
  text "GND" at -16.146,-64.821 h1.52

## Text inside footprints (layer, text, board x,y; h text height)
CR1: Top Overlay "*" at 8.371,-50.793 h1.27 r90; Top Assembly "*" at 9.544,-49.43 h1.27 r90
CR2: Top Overlay "*" at -1.079,-50.793 h1.27 r90; Top Assembly "*" at 0.094,-49.43 h1.27 r90
XP4: Bottom Overlay "sda" at 29,50 h1; Bottom Overlay "scl" at 32,50 h1; Bottom Overlay "+" at 33,50 h1; Bottom Overlay "-" at 36,50 h1